# KiCad board panelised.kicad_pcb (continued)
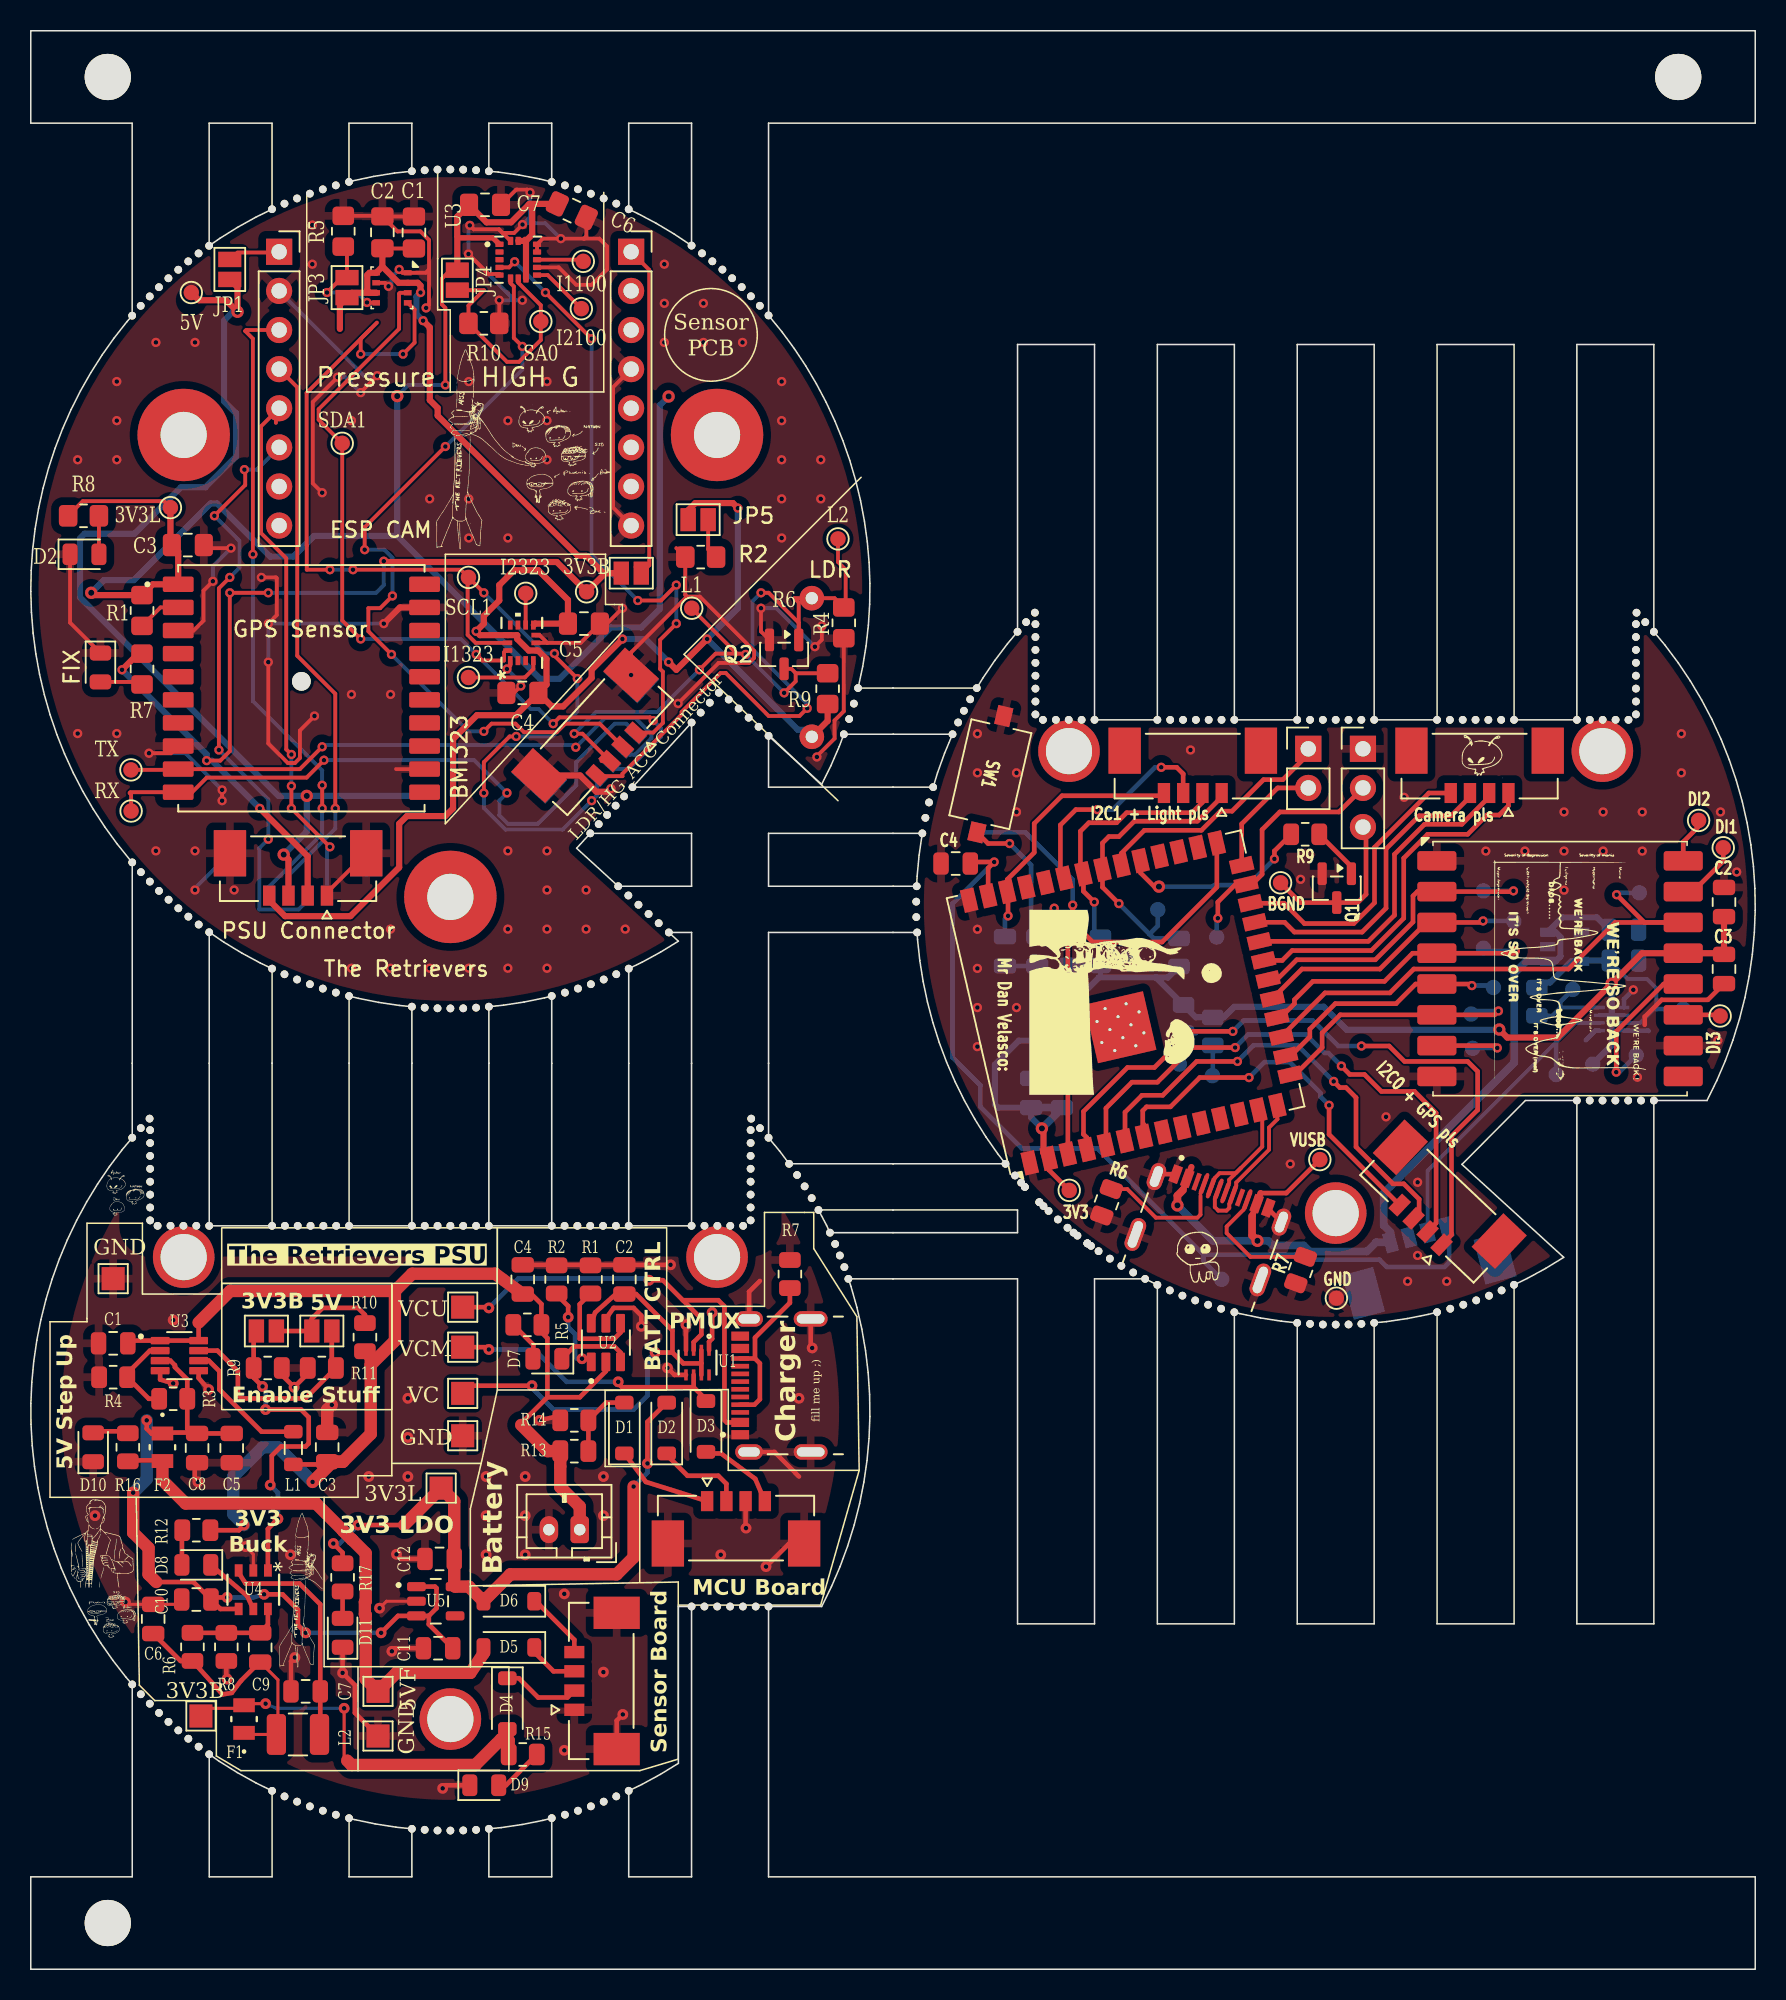
[diagram p0: board, top side]
## Placement (name value [footprint] x y rotation side) (continued)
KiKit_MB_44_2  -  [NPTH]  95.52 44.08 0 top
KiKit_MB_44_3  -  [NPTH]  94.71 43.74 0 top
KiKit_MB_44_4  -  [NPTH]  93.87 43.44 0 top
KiKit_MB_44_5  -  [NPTH]  93.03 43.15 0 top
KiKit_MB_44_6  -  [NPTH]  92.19 42.89 0 top
KiKit_MB_44_7  -  [NPTH]  91.33 42.67 0 top
KiKit_MB_45_1  -  [NPTH]  105.41 56.41 0 top
KiKit_MB_45_2  -  [NPTH]  104.58 56.41 0 top
KiKit_MB_45_3  -  [NPTH]  103.75 56.41 0 top
KiKit_MB_45_4  -  [NPTH]  102.91 56.41 0 top
KiKit_MB_45_5  -  [NPTH]  102.08 56.41 0 top
KiKit_MB_45_6  -  [NPTH]  101.25 56.41 0 top
KiKit_MB_45_7  -  [NPTH]  100.41 56.41 0 top
KiKit_TO_1  -  [NPTH#2]  5 122.88 0 top
KiKit_TO_2  -  [NPTH#2]  106.99 122.88 0 top
KiKit_TO_3  -  [NPTH#2]  5 3 0 top
L1  1u5H  [L_0805_2012Metric]  17.05 33.85 90 top
L1#2  TestPoint  [TestPoint_Pad_D1.0mm]  42.92 88.39 0 top
L2  2u2H  [L_1210_3225Metric]  17.35 15.25 0 top
L2#2  TestPoint  [TestPoint_Pad_D1.0mm]  52.42 92.89 0 top
Q1  MMBT619  [SOT-23]  84.82 70.2 270 top
Q2  Q_NPN_BEC  [SOT-23]  48.92 85.39 270 top
R1  560  [R_0805_2012Metric]  36.35 44.8 90 top
R1#2  10k  [R_0805_2012Metric_Pad1.20x1.40mm_HandSolder]  7.22 88.24 270 top
R1#3  5.1k  [R_0805_2012Metric]  76.77 60.9 90 bottom
R2  10K  [R_0805_2012Metric]  34.15 44.8 90 top
R2#2  1Meg  [R_0805_2012Metric_Pad1.20x1.40mm_HandSolder]  43.51 91.71 180 top
R2#3  5.1k  [R_0805_2012Metric]  69.47 66.1 270 bottom
R3  30K  [R_0805_2012Metric]  9.25 37.05 180 top
R3#2  5.1k  [R_0805_2012Metric]  74.87 61.7 270 bottom
R4  3.7k  [R_0805_2012Metric_Pad1.20x1.40mm_HandSolder]  52.8 87.44 90 top
R4#2  270K  [R_0805_2012Metric]  5.35 38.45 180 top
R4#3  5.1k  [R_0805_2012Metric]  74.57 66.03 90 bottom
R5  1K5  [R_0805_2012Metric]  32.25 41.85 180 top
R5#2  1Meg  [R_0805_2012Metric_Pad1.20x1.40mm_HandSolder]  20.29 112.87 90 top
R5#3  10k  [R_0805_2012Metric]  67.47 66.1 270 bottom
R6  5.1k  [R_0805_2012Metric]  69.87 49.8 70 top
R6#2  LDR07  [ldr]  50.72 80.04 90 top
R6#3  115K  [R_0805_2012Metric]  10.5 20.93 270 top
R7  22K  [R_0805_2012Metric]  49.3 45.15 90 top
R7#2  5.1k  [R_0805_2012Metric]  82.47 45.4 70 top
R7#3  5.1k  [R_0805_2012Metric_Pad1.20x1.40mm_HandSolder]  7.22 84.44 270 top
R8  5.1k  [R_0805_2012Metric_Pad1.20x1.40mm_HandSolder]  3.42 94.39 0 top
R8#2  25.5K  [R_0805_2012Metric]  12.7 20.93 270 top
R8#3  5.1k  [R_0805_2012Metric]  97.82 62.83 270 bottom
R9  100k  [R_0805_2012Metric_Pad1.20x1.40mm_HandSolder]  51.75 83.16 270 top
R9#2  1Meg  [R_0805_2012Metric]  15.39 39.05 0 top
R9#3  10k  [R_0805_2012Metric]  82.77 73.7 0 top
R10  1Meg  [R_0805_2012Metric_Pad1.20x1.40mm_HandSolder]  29.42 106.89 0 top
R10#2  1k5  [R_0805_2012Metric]  21.7 41.05 90 top
R11  1Meg  [R_0805_2012Metric]  18.9 39.05 180 top
R12  1K5  [R_0805_2012Metric]  10.75 28.51 0 top
R13  470k  [R_0805_2012Metric]  35.3 33.65 0 top
R14  220k  [R_0805_2012Metric]  35.3 35.65 180 top
R15  10k  [R_0805_2012Metric]  31.95 13.95 0 top
R16  10k  [R_0805_2012Metric]  6.3 33.9 90 top
R17  10k  [R_0805_2012Metric]  20.25 25.45 270 top
RX  TestPoint  [TestPoint_Pad_D1.0mm]  6.51 75.21 0 top
SA0  TestPoint  [TestPoint_Pad_D1.0mm]  33.12 107.01 0 top
SCL1  TestPoint  [TestPoint_Pad_D1.0mm]  28.42 90.39 0 top
SDA1  TestPoint  [TestPoint_Pad_D1.0mm]  20.22 99.09 0 top
SW1  SW_Push  [SW_Tactile_SPST_NO_Straight_CK_PTS636Sx25SMTRLFS]  62.32 77.6 257 top
SW2  SW_Push  [SW_Tactile_SPST_NO_Straight_CK_PTS636Sx25SMTRLFS]  62.32 77.6 257 bottom
TP1  TestPoint  [TestPoint_Pad_D1.0mm]  93.54 62.03 180 bottom
TP2  TestPoint  [TestPoint_Pad_D1.0mm]  76.74 58.03 180 bottom
TP3  TestPoint  [TestPoint_Pad_D1.0mm]  71.47 65.83 180 bottom
TP4  TestPoint  [TestPoint_Pad_D1.0mm]  74.59 58.78 180 bottom
TP5  TestPoint  [TestPoint_Pad_D1.0mm]  73.19 68.8 180 bottom
TP6  TestPoint  [TestPoint_Pad_D1.0mm]  77.02 67.03 180 bottom
TP7  TestPoint  [TestPoint_Pad_D1.0mm]  94.34 70.03 180 bottom
TP8  TestPoint  [TestPoint_Pad_D1.0mm]  96.32 68.05 180 bottom
TP9  TestPoint  [TestPoint_Pad_D1.0mm]  94.34 66.3 180 bottom
TP10  TestPoint  [TestPoint_Pad_D1.0mm]  94.99 63.75 180 bottom
TP11  TestPoint  [TestPoint_Pad_D1.0mm]  109.92 72.83 0 top
TP12  TestPoint  [TestPoint_Pad_D1.0mm]  108.32 74.6 0 top
TP13  TestPoint  [TestPoint_Pad_D1.0mm]  109.72 61.9 0 top
TP14  TestPoint  [TestPoint_Pad_D1.0mm]  104.27 59.35 180 bottom
TP15  TestPoint  [TestPoint_Pad_D1.0mm]  101.44 58.78 180 bottom
TP15#2  TestPoint  [TestPoint_Pad_D1.0mm]  93.64 59.8 180 bottom
TP16  TestPoint  [TestPoint_Pad_D1.0mm]  104.47 69.9 180 bottom
TP17  TestPoint  [TestPoint_Pad_D1.0mm]  83.72 52.58 0 top
TP18  TestPoint  [TestPoint_Pad_D1.0mm]  84.79 43.58 0 top
TP19  TestPoint  [TestPoint_Pad_D1.0mm]  67.44 50.58 0 top
TP20  TestPoint  [TestPoint_Pad_D1.0mm]  100.14 63.63 180 bottom
TP21  TestPoint  [TestPoint_Pad_D1.0mm]  107.32 62.35 180 bottom
TP22  TestPoint  [TestPoint_Pad_D1.0mm]  99.07 58.1 180 bottom
TP23  TestPoint  [TestPoint_Pad_D1.0mm]  81.17 70.55 0 top
TX  TestPoint  [TestPoint_Pad_D1.0mm]  6.5 77.89 0 top
U1  CD-PA1616D  [XCVR_CD-PA1616D]  17.57 83.19 0 top
U1#2  -  [Lora1276-C1-868]  99.32 72.98 0 top
U1#3  LM66200DRLR  [SOT-5X3_DRL_TEX]  43.3 39.4 270 top
U2  ESP32-S3-WROOM-1U-N16R8  [ESP32-S3-WROOM-1U]  71.1 62.79 103 top
U2#2  ESP32-CAM  [ESPCam]  27.73 102.96 0 top
U2#3  -  [BQ21040DBVR]  37.35 40.7 90 top
U3  -  [RT4812GJ8F]  9.65 39.85 0 top
U3#2  BME280  [Bosch_LGA-8_2.5x2.5mm_P0.65mm_ClockwisePinNumbering]  23.45 109.19 270 top
U3#3  LM66200DRLR  [SOT-5X3_DRL_TEX]  102.67 61.7 180 bottom
U4  AP3445LW6-7  [SOT26_AP3445_DIO-L]  14.45 24.65 270 top
U4#2  BMI323  [BMI323_BOS-M]  31.89 86.14 90 top
U4#3  -  [TLV75733PDBVR]  99.62 66.4 90 bottom
U5  TLV75733PDBVR  [SOT95P280X145-5N]  26.3 23.9 0 top
U5#2  H3LIS100DLTR  [PQFN50P300X300X100-16N]  31.66 111.02 0 top
VBAT1  TestPoint  [TestPoint_Pad_D1.0mm]  77.34 44.8 180 bottom
Vcharger_MCU_TP1  TestPoint  [TestPoint_Pad_1.5x1.5mm]  28.05 40.4 0 top
Vcharger_TP1  TestPoint  [TestPoint_Pad_1.5x1.5mm]  28.05 37.4 0 top
Vcharger_USB_TP1  TestPoint  [TestPoint_Pad_1.5x1.5mm]  28.05 43 0 top

## Library data of the parts
3V3_Buck_TP1 3V3_LDO_TP1 3V3B 3V3L 5V 5V_TP1 GND_TP1-GND_TP3 I1100 I1323 I2100 I2323 L1#2 L2#2 RX SA0 SCL1 SDA1 TP1-TP15 TP15#2 TP16-TP23 TX VBAT1 Vcharger_MCU_TP1 Vcharger_TP1 Vcharger_USB_TP1 = -: Description: test point
C1 C1#2 C1#3 C2 C2#2 C2#3 C3 C3#2 C3#3 C4 C4#2 C4#3 C5 C5#2 C5#3 C6 C6#2 C6#3 C7 C7#2 C7#3 C8 C8#2 C9 C9#2 C10-C12 = -: Description: Unpolarized capacitor
D1 D2#2 D7-D11 = -: Description: Light emitting diode; Sim.Pins: 1=K 2=A
D1#2 D2-D6 = -: Description: Schottky diode
EN_3V3 EN_5 JP1-JP5 = -: Description: Solder Jumper, 2-pole, open
F1 F2 = -: Description: Fuse, small symbol
H1 H1#2 H1#3 H2 H2#2 H2#3 H3 H3#2 H3#3 = -: Description: Mounting Hole without connection
J1 = -: Description: Generic connector, single row, 01x03, script generated (kicad-library-utils/schlib/autogen/connector/)
J1#2 J2#3 J3 J3#3 J4 J4#3 J5 J7 = -: PARTREV: A; STANDARD: Manufacturer Recommendations; MAXIMUM_PACKAGE_HEIGHT: 4.7 mm; MANUFACTURER: Molex
J1#3 J2 = -: MANUFACTURER: Molex; MAXIMUM_PACKAGE_HEIGHT: 4.7 mm; STANDARD: Manufacturer Recommendations; PARTREV: A
J2#2 = -: Description: Generic connector, single row, 01x02, script generated (kicad-library-utils/schlib/autogen/connector/)
J3#2 = -: STANDARD: Manufacturer Recommendations; MAXIMUM_PACKAGE_HEIGHT: 3.46mm; MANUFACTURER: Same Sky; PARTREV: 1.0
J4#2 = -: MANUFACTURER: JST
J6 = -: PARTREV: 1.0; STANDARD: Manufacturer Recommendations; MAXIMUM_PACKAGE_HEIGHT: 3.36mm; MANUFACTURER: Same Sky
L1 L2 = -: Description: Inductor
Q1 = -: Description: NPN transistor, base/emitter/collector
Q2 = -: Description: NPN transistor, base/emitter/collector; Sim.Device: NPN; Sim.Pins: 1=B 2=E 3=C
R1 R1#2 R1#3 R2 R2#2 R2#3 R3 R3#2 R4 R4#2 R4#3 R5 R5#2 R5#3 R6 R6#3 R7 R7#2 R7#3 R8 R8#2 R8#3 R9 R9#2 R9#3 R10 R10#2 R11-R17 = -: Description: Resistor
R6#2 = -: Datasheet: http://www.tme.eu/de/Document/f2e3ad76a925811312d226c31da4cd7e/LDR07.pdf; Description: light dependent resistor
SW1 SW2 = -: Description: Push button switch, generic, two pins
U1 = -: MF: CD Top; MAXIMUM_PACKAGE_HEIGHT: 6.7 mm; Package: Package; Price: None; Check_prices: https://www.snapeda.com/parts/CD-PA1616D/CD+technology/view-part/?ref=eda; STANDARD: Manufacturer Recommendations; PARTREV: V.06; SnapEDA_Link: https://www.snapeda.com/parts/CD-PA1616D/CD+technology/view-part/?ref=snap; Description_1: CD-PA1616DGNSS patch antenna module; Availability: Not in stock; MANUFACTURER: CD Top
U1#3 U3#3 = -: Datasheet: https://www.ti.com/lit/gpn/lm66200
U2 = -: PARTREV: v1.1; STANDARD: Manufacturer Recommendations; MAXIMUM_PACKAGE_HEIGHT: 3.35mm; MANUFACTURER: Espressif Systems; MF: Espressif Systems; Package: SMD-41 Espressif Systems; Price: None; Check_prices: https://www.snapeda.com/parts/ESP32-S3-WROOM-1U-N16R8/Espressif+Systems/view-part/?ref=eda; SnapEDA_Link: https://www.snapeda.com/parts/ESP32-S3-WROOM-1U-N16R8/Espressif+Systems/view-part/?ref=snap; Description_1: Bluetooth, WiFi 802.11b/g/n, Bluetooth v5.0 Transceiver Module 2.4GHz Antenna Not Included, U.FL Surface Mount; Availability: In Stock
U2#2 = -: Datasheet: https://www.es.co.th/Schemetic/PDF/ESP32.PDF; Description: ESP32 ESP32 Transceiver; 802.11 a/b/g/n (Wi-Fi, WiFi, WLAN), Bluetooth® Smart 4.x Low Energy (BLE) Evaluation Board; MF: AI-Thinker; PACKAGE: None; PRICE: None; Package: None; Check_prices: https://www.snapeda.com/parts/ESP32-CAM/AI-Thinker/view-part/?ref=eda; Price: None; SnapEDA_Link: https://www.snapeda.com/parts/ESP32-CAM/AI-Thinker/view-part/?ref=snap; Availability: Not in stock; AVAILABILITY: Not in stock; Description_1: ESP32 ESP32 Transceiver; 802.11 a/b/g/n (Wi-Fi, WiFi, WLAN), Bluetooth® Smart 4.x Low Energy (BLE) Evaluation Board
U3 = -: MANUFACTURER: Richtek Technology; MAXIMUM_PACKAGE_HEIGHT: 1.0 mm; STANDARD: IPC 7351B; PARTREV: March 2019
U3#2 = -: Datasheet: https://www.bosch-sensortec.com/media/boschsensortec/downloads/datasheets/bst-bme280-ds002.pdf; Description: 3-in-1 sensor, humidity, pressure, temperature, I2C and SPI interface, 1.71-3.6V, LGA-8
U4#3 = -: Datasheet: https://www.ti.com/cn/lit/gpn/tlv757p; Description: Output Type:Fixed Voltage - Supply:5.5V Output Voltage:3.3V Output Voltage:3.3V Output Current:1A Power Supply Rejection Ratio (PSRR):46dB@(100kHz) Voltage Dropout:650mV@(1A) standby current:40uA Noise:71.5uVrms Features:Under Voltage Lockout；Soft Start；O; Manufacturer: TI(德州仪器); Supplier Part: C485517; Supplier: LCSC; LCSC Part Name: 具有使能功能的 1A、低 IQ、高精度、低压降稳压器
U5 = -: Datasheet: https://www.ti.com/cn/lit/gpn/tlv757p; Description: Output Type:Fixed Voltage - Supply:5.5V Output Voltage:3.3V Output Voltage:3.3V Output Current:1A Power Supply Rejection Ratio (PSRR):46dB@(100kHz) Voltage Dropout:650mV@(1A) standby current:40uA Noise:71.5uVrms Features:Under Voltage Lockout；Soft Start；O; LCSC Part Name: 具有使能功能的 1A、低 IQ、高精度、低压降稳压器; Supplier: LCSC; Supplier Part: C485517; Manufacturer: TI(德州仪器)
U5#2 = -: PARTREV: 2; STANDARD: IPC 7351B; MAXIMUM_PACKAGE_HEIGHT: 1 mm; MANUFACTURER: STMicroelectronics

## Footprints (pads in the part's own frame, mm; a bottom-side part is the same pattern mirrored in y, then rotated)
BMI323_BOS-M
  rect 0.584x0.305 smd: 1(-1.156,0.75) 2(-1.156,0.25) 3(-1.156,-0.25) 4(-1.156,-0.75) 8(1.156,-0.75) 9(1.156,-0.25) 10(1.156,0.25) 11(1.156,0.75)
  rect 0.305x0.584 smd: 5(-0.5,-0.914) 6(0,-0.914) 7(0.5,-0.914) 12(0.5,0.914) 13(0,0.914) 14(-0.5,0.914)
Bosch_LGA-8_2.5x2.5mm_P0.65mm_ClockwisePinNumbering
  rect 0.35x0.5 smd: 1(-0.975,1.025) 2(-0.325,1.025) 3(0.325,1.025) 4(0.975,1.025) 5(0.975,-1.025) 6(0.325,-1.025) 7(-0.325,-1.025) 8(-0.975,-1.025)
BQ21040DBVR
  rrect 1.21x0.58 smd: 1(-1.255,0.95) 2(-1.255,0) 3(-1.255,-0.95) 4(1.255,-0.95) 5(1.255,0) 6(1.255,0.95)
C_0805_2012Metric
  rrect 1x1.45 smd: 1(-0.95,0) 2(0.95,0)
C_0805_2012Metric#2
  rrect 1x1.45 smd: 1(-0.95,0) 2(0.95,0)
C_0805_2012Metric_Pad1.18x1.45mm_HandSolder
  rrect 1.175x1.45 smd: 1(-1.038,0) 2(1.038,0)
D_SOD-123
  rrect 0.9x1.2 smd: 1(-1.65,0) 2(1.65,0)
ESP32-S3-WROOM-1U
  rect 0.9x0.9 smd: (-2.904,-0.71) (-2.9,2.09) (-2.9,0.69) (-1.504,-0.71) (-1.5,2.09) (-1.5,0.69) (-0.104,-0.71) (-0.1,2.09) (-0.1,0.69)
  rect 1.5x0.9 smd: 1(-8.75,8.41) 2(-8.75,7.14) 3(-8.75,5.87) 4(-8.75,4.6) 5(-8.75,3.33) 6(-8.75,2.06) 7(-8.75,0.79) 8(-8.75,-0.48) 9(-8.75,-1.75) 10(-8.75,-3.02) 11(-8.75,-4.29) 12(-8.75,-5.56) 13(-8.75,-6.83) 14(-8.75,-8.1) 27(8.75,-8.1) 28(8.75,-6.83) 29(8.75,-5.56) 30(8.75,-4.29) 31(8.75,-3.02) 32(8.75,-1.75) 33(8.75,-0.48) 34(8.75,0.79) 35(8.75,2.06) 36(8.75,3.33) 37(8.75,4.6) 38(8.75,5.87) 39(8.75,7.14) 40(8.75,8.41)
  rect 0.9x1.5 smd: 15(-6.985,-9.35) 16(-5.715,-9.35) 17(-4.445,-9.35) 18(-3.175,-9.35) 19(-1.905,-9.35) 20(-0.635,-9.35) 21(0.635,-9.35) 22(1.905,-9.35) 23(3.175,-9.35) 24(4.445,-9.35) 25(5.715,-9.35) 26(6.985,-9.35)
  round 0.6 hole 0.2: 41(-2.9,1.39) 41(-2.9,-0.01) 41(-2.2,2.09) 41(-2.2,0.69) 41(-2.2,-0.71) 41(-1.5,1.39) 41(-1.5,-0.01) 41(-0.8,2.09) 41(-0.8,0.69) 41(-0.8,-0.71) 41(-0.1,1.39) 41(-0.1,-0.01)
  rect 3.9x3.9 smd: 41(-1.5,0.69)
ESPCam
  rect 1.7x1.7 hole 1: 1(-11.6,8.57) 9(11.26,8.57)
  round 1.7 hole 1: 2(-11.6,6.03) 3(-11.6,3.49) 4(-11.6,0.95) 5(-11.6,-1.59) 6(-11.6,-4.13) 7(-11.6,-6.67) 8(-11.6,-9.21) 10(11.26,6.03) 11(11.26,3.49) 12(11.26,0.95) 13(11.26,-1.59) 14(11.26,-4.13) 15(11.26,-6.67) 16(11.26,-9.21)
FUS_VISHAY_MFU0805_VIS
  rect 0.902x1.397 smd: 1(-0.895,0) 2(0.895,0)
JST_PH_B2B-PH-K_1x02_P2.00mm_Vertical
  rrect 1.2x1.75 hole 0.75: 1(0,0)
  oval 1.2x1.75 hole 0.75: 2(2,0)
L_0805_2012Metric
  rrect 0.875x1.2 smd: 1(-1.062,0) 2(1.062,0)
L_1210_3225Metric
  rrect 1.25x2.65 smd: 1(-1.4,0) 2(1.4,0)
ldr
  round 1.6 hole 0.8: 1(0,0) 2(9,0)
LED_0805_2012Metric
  rrect 0.975x1.4 smd: 1(-0.938,0) 2(0.938,0)
Lora1276-C1-868
  rrect 2.54x1.27 smd: 1(-8,-1) 2(-8,-3) 3(-8,-5) 4(-8,-7) 5(-8,-9) 6(-8,-11) 7(-8,-13) 8(-8,-15) 9(8,-15) 10(8,-13) 11(8,-11) 12(8,-9) 13(8,-7) 14(8,-5) 15(8,-3) 16(8,-1)
MOLEX_533980471
  rect 0.8x1.3 smd: 1(1.875,-1.75) 2(0.625,-1.75) 3(-0.625,-1.75) 4(-1.875,-1.75)
  rect 2.1x3 smd: S1(-4.425,1) S2(4.425,1)
MOLEX_533980471#2
  rect 0.8x1.3 smd: 1(1.875,-1.75) 2(0.625,-1.75) 3(-0.625,-1.75) 4(-1.875,-1.75)
  rect 2.1x3 smd: S1(-4.425,1) S2(4.425,1)
MOLEX_533980471#3
  rect 0.8x1.3 smd: 1(1.875,-1.75) 2(0.625,-1.75) 3(-0.625,-1.75) 4(-1.875,-1.75)
  rect 2.1x3 smd: S1(-4.425,1) S2(4.425,1)
MOLEX_533980471#4
  rect 0.8x1.3 smd: 1(1.875,-1.75) 2(0.625,-1.75) 3(-0.625,-1.75) 4(-1.875,-1.75)
  rect 2.1x3 smd: S1(-4.425,1) S2(4.425,1)
Mounting-Hole-3mm-0.05mm-pad
  round 4 hole 3: 1(0,0)
MountingHole_3mm_Pad
  round 6 hole 3: 1(0,0)
MountingHole_3mm_Pad#2
  round 4 hole 3: 1(0,0)
NPTH
  round 0.5 hole 0.5 unplated: (0,0)
NPTH#2
  round 3 hole 3 unplated: (0,0)
PinHeader_1x02_P2.54mm_Vertical
  rect 1.7x1.7 hole 1: 1(0,0)
  round 1.7 hole 1: 2(0,-2.54)
PinHeader_1x03_P2.54mm_Vertical
  rect 1.7x1.7 hole 1: 1(0,0)
  round 1.7 hole 1: 2(0,-2.54) 3(0,-5.08)
PQFN50P300X300X100-16N
  rrect 0.53x0.35 smd: 1(-1.22,1) 2(-1.22,0.5) 3(-1.22,0) 4(-1.22,-0.5) 5(-1.22,-1) 9(1.22,-1) 10(1.22,-0.5) 11(1.22,0) 12(1.22,0.5) 13(1.22,1)
  rrect 0.35x0.53 smd: 6(-0.5,-1.22) 7(0,-1.22) 8(0.5,-1.22) 14(0.5,1.22) 15(0,1.22) 16(-0.5,1.22)
R_0805_2012Metric
  rrect 1.025x1.4 smd: 1(-0.912,0) 2(0.912,0)
R_0805_2012Metric_Pad1.20x1.40mm_HandSolder
  rrect 1.2x1.4 smd: 1(-1,0) 2(1,0)
RT4812GJ8F
  rrect 1.22x0.48 smd: 1(-1.25,0.975) 2(-1.25,0.325) 3(-1.25,-0.325) 4(-1.25,-0.975) 5(1.25,-0.975) 6(1.25,-0.325) 7(1.25,0.325) 8(1.25,0.975)
SAMESKY_UJ20-C-H-G-SMT-P16-TR
  rect 0.6x1.15 smd: A1_B12(-3.2,4.575) A4_B9(-2.4,4.575) A9_B4(2.4,4.575) A12_B1(3.2,4.575)
  rect 0.3x1.15 smd: A5(-1.25,4.575) A6(-0.25,4.575) A7(0.25,4.575) A8(1.25,4.575) B5(1.75,4.575) B6(0.75,4.575) B7(-0.75,4.575) B8(-1.75,4.575)
  oval 1x1.8 hole 0.6x1.4: SH1(-4.32,4) SH3(4.32,4)
  oval 1x2.2 hole 0.6x1.8: SH2(-4.32,0) SH4(4.32,0)
SolderJumper-2_P1.3mm_Open_Pad1.0x1.5mm
  rect 1x1.5 smd: 1(-0.65,0) 2(0.65,0)
SOT26_AP3445_DIO-L
  rect 0.8x0.508 smd: 1(-1.251,0.95) 2(-1.251,0) 3(-1.251,-0.95) 4(1.251,-0.95) 5(1.251,0) 6(1.251,0.95)
SOT95P280X145-5N
  rrect 1.21x0.59 smd: 1(-1.255,0.95) 2(-1.255,0) 3(-1.255,-0.95) 4(1.255,-0.95) 5(1.255,0.95)
SOT-5X3_DRL_TEX
  rect 0.711x0.229 smd: 1(-0.8,0.75) 2(-0.8,0.25) 3(-0.8,-0.25) 4(-0.8,-0.75) 5(0.8,-0.75) 6(0.8,-0.25) 7(0.8,0.25) 8(0.8,0.75)
SOT-23
  rrect 1.475x0.6 smd: 1(-0.938,0.95) 2(-0.938,-0.95) 3(0.938,0)
SW_Tactile_SPST_NO_Straight_CK_PTS636Sx25SMTRLFS
  rect 1.25x1 smd: 1(-3.875,0) 2(3.875,0)
TestPoint_Pad_1.5x1.5mm
  rect 1.5x1.5 smd: 1(0,0)
TestPoint_Pad_D1.0mm
  round 1 smd: 1(0,0)
TLV75733PDBVR
  rect 0.6x1 smd: 1(-0.95,-1.1) 2(0,-1.1) 3(0.95,-1.1) 4(0.95,1.1) 5(-0.95,1.1)
XCVR_CD-PA1616D
  round 1.21 hole 1.21 unplated: (0,0.45)
  rrect 2x1 smd: 1(-8,6.75) 2(-8,5.25) 3(-8,3.75) 4(-8,2.25) 5(-8,0.75) 6(-8,-0.75) 7(-8,-2.25) 8(-8,-3.75) 9(-8,-5.25) 10(-8,-6.75) 11(8,-6.75) 12(8,-5.25) 13(8,-3.75) 14(8,-2.25) 15(8,-0.75) 16(8,0.75) 17(8,2.25) 18(8,3.75) 19(8,5.25) 20(8,6.75)

## Nets
Board_2-/VBAT_IO1: C4#2.1 J7.1 U2.39 VBAT1.1
Board_0-3V3_BUCK: 3V3B.1 C1.2 C2.1 J3#3.2 JP2.1 JP3.1 R7#3.1 U3#2.2 U3#2.6 U3#2.8
Board_0-3V3_LDO: 3V3L.1 C3#2.1 C4#3.2 C5#2.1 C6#2.1 C7#2.1 J3#3.4 JP4.1 JP5.1 R1#2.1 R6#2.1 R8.1 R9.2 U1.1 U4#2.5 U4#2.8 U4#2.12 U5#2.1 U5#2.8 U5#2.14 U5#2.15
Board_0-5V: 5V.1 J3#3.3 JP1.1
Board_0-CAM_IO14: J4#3.3 U2#2.6
Board_0-CAM_IO15: J4#3.4 U2#2.5
Board_0-CAM_RX: J4#3.1 U2#2.3
Board_0-CAM_TX: J4#3.2 U2#2.4
Board_0-GND: C1.1 C2.2 C3#2.2 C4#3.1 C5#2.2 C6#2.2 C7#2.2 D1.1 D2#2.1 J1#2.S1 J1#2.S2 J2#3.S1 J2#3.S2 J3#3.1 J3#3.S1 J3#3.S2 J4#3.S1 J4#3.S2 Q2.2 R2#2.2 R4.1 R5#2.2 R10.2 U1.3 U1.8 U1.12 U1.19 U2#2.2 U2#2.12 U2#2.16 U3#2.1 U3#2.7 U4#2.1 U4#2.6 U4#2.7 U5#2.5 U5#2.10 U5#2.12 U5#2.13 U5#2.16
Board_0-GPS_UART_RX: J2#3.4 RX.1 U1.10
Board_0-GPS_UART_TX: J2#3.3 TX.1 U1.9
Board_0-IN2_100: I2100.1 U5#2.9
Board_0-INT1_100: I1100.1 U5#2.11
Board_0-INT1_323: I1323.1 U4#2.4
Board_0-INT2_323: I2323.1 U4#2.9
Board_0-LIGHT1: J1#2.3 L1#2.1 Q2.3 R9.1
Board_0-LIGHT2: J1#2.4 L2#2.1 Q2.1 R4.2 R6#2.2
Board_0-Net-(D1-A): D1.2 R7#3.2
Board_0-Net-(D2-A): D2#2.2 R8.2
Board_0-Net-(JP1-B): JP1.2 U2#2.1
Board_0-Net-(JP2-B): JP2.2 U2#2.9
Board_0-Net-(U1-~{RESET}): R1#2.2 U1.2
Board_0-PRESSURE_ADDR: JP3.2 R5#2.1 U3#2.5
Board_0-SA0: JP4.2 R10.1 SA0.1 U5#2.7
Board_0-SCL1: J2#3.1 SCL1.1 U3#2.4 U4#2.13
Board_0-SCL2: J1#2.1 U5#2.4
Board_0-SDA1: J2#3.2 SDA1.1 U3#2.3 U4#2.14
Board_0-SDA2: J1#2.2 U5#2.6
Board_0-SDO: JP5.2 R2#2.1
Board_0-unconnected-(U1-1PPS-Pad13): U1.13
Board_0-unconnected-(U1-3D-FIX-Pad5): U1.5
Board_0-unconnected-(U1-EX_ANT-Pad11): U1.11
Board_0-unconnected-(U1-NC-Pad6): U1.6
Board_0-unconnected-(U1-NC-Pad7): U1.7
Board_0-unconnected-(U1-NC-Pad16): U1.16
Board_0-unconnected-(U1-NC-Pad17): U1.17
Board_0-unconnected-(U1-NC-Pad18): U1.18
Board_0-unconnected-(U1-NC-Pad20): U1.20
Board_0-unconnected-(U1-RX1/I2C_SCL-Pad14): U1.14
Board_0-unconnected-(U1-TX1/I2C_SDA-Pad15): U1.15
Board_0-unconnected-(U1-VBACKUP-Pad4): U1.4
Board_0-unconnected-(U2-3V3.-Pad13): U2#2.13
Board_0-unconnected-(U2-IO0-Pad11): U2#2.11
Board_0-unconnected-(U2-IO1/U0T-Pad15): U2#2.15
Board_0-unconnected-(U2-IO2-Pad7): U2#2.7
Board_0-unconnected-(U2-IO3/U0R-Pad14): U2#2.14
Board_0-unconnected-(U2-IO4-Pad8): U2#2.8
Board_0-unconnected-(U2-IO16-Pad10): U2#2.10
Board_0-unconnected-(U4-NC-Pad2): U4#2.2
Board_0-unconnected-(U4-NC-Pad3): U4#2.3
Board_0-unconnected-(U4-NC-Pad10): U4#2.10
Board_0-unconnected-(U4-NC-Pad11): U4#2.11
Board_0-unconnected-(U5-NC-Pad2): U5#2.2
Board_0-unconnected-(U5-NC__1-Pad3): U5#2.3
Board_1-+3V3_Buck: 3V3_Buck_TP1.1 D4.2 F1.2 R15.1
Board_1-+3V3_LDO: 3V3_LDO_TP1.1 C12.1 D2.2 D6.2 R17.1 U5.5
Board_1-+5VF: 5V_TP1.1 D5.2 F2.2 R16.1
Board_1-+5VU: C5.2 C8.1 C10.1 C11.1 F2.1 R3.1 U3.3 U4.4 U5.1 U5.3
Board_1-/Bat_ADC: D1#2.2 R13.2 R14.1
Board_1-EN_3.3: EN_3V3.1 R9#2.1 U4.1
Board_1-EN_5: EN_5.1 R11.1 U3.7
Board_1-GND: C1#2.2 C2#2.2 C3#3.1 C4.2 C5.1 C6.1 C7.1 C8.2 C10.2 C11.2 C12.2 D9.1 D10.1 D11.1 GND_TP1.1 GND_TP2.1 GND_TP3.1 J1#3.1 J1#3.S1 J1#3.S2 J2.3 J2.S1 J2.S2 J3#2.A1_B12 J3#2.SH1 J3#2.SH2 J3#2.SH3 J3#2.SH4 J4#2.2 R1.2 R2.2 R4#2.2 R7.2 R8#2.2 R9#2.2 R11.2 R14.2 U1#3.1 U1#3.4 U1#3.5 U2#3.5 U3.4 U3.5 U4.2 U5.2
Board_1-Net-(C6-Pad2): C6.2 C9.1 F1.1 L2.1 R6#3.2
Board_1-Net-(D1-K): D1#2.1 J2.1
Board_1-Net-(D2-K): D2.1 J2.2
Board_1-Net-(D3-A): D3.2 J2.4
Board_1-Net-(D4-K): D4.1 J1#3.2
Board_1-Net-(D5-K): D5.1 J1#3.3
Board_1-Net-(D6-K): D6.1 J1#3.4
Board_1-Net-(D7-A): D7.2 R5.2
Board_1-Net-(D7-K): D7.1 U2#3.3
Board_1-Net-(D8-A): D8.2 R12.1
Board_1-Net-(D8-K): D8.1 U4.5
Board_1-Net-(D9-A): D9.2 R15.2
Board_1-Net-(D10-A): D10.2 R16.2
Board_1-Net-(D11-A): D11.2 R17.2
Board_1-Net-(EN_3V3-B): EN_3V3.2 EN_5.2 R10#2.2
Board_1-Net-(J3-CC1): J3#2.A5 J3#2.B5 R7.1
Board_1-Net-(U2-ISET): R1.1 U2#3.4
Board_1-Net-(U2-TS): R2.1 U2#3.1
Board_1-Net-(U3-FB): R3.2 R4#2.1 U3.2
Board_1-Net-(U3-SW): L1.2 U3.6
Board_1-Net-(U4-FB): C9.2 R6#3.1 R8#2.1 U4.6
Board_1-Net-(U4-LX): C7.2 L2.2 U4.3
Board_1-unconnected-(J3-DN1-PadA7): J3#2.A7
Board_1-unconnected-(J3-DN2-PadB7): J3#2.B7
Board_1-unconnected-(J3-DP1-PadA6): J3#2.A6
Board_1-unconnected-(J3-DP2-PadB6): J3#2.B6
Board_1-unconnected-(J3-SBU1-PadA8): J3#2.A8
Board_1-unconnected-(J3-SBU2-PadB8): J3#2.B8
Board_1-unconnected-(U1-ST-Pad8): U1#3.8
Board_1-unconnected-(U5-NC-Pad4): U5.4
Board_1-Vbat: C1#2.1 C3#3.2 C4.1 J4#2.1 L1.1 R5.1 R10#2.1 R12.2 R13.1 U2#3.2 U3.1 U3.8
Board_1-Vcharger: C2#2.1 U1#3.2 U1#3.7 U2#3.6 Vcharger_TP1.1
Board_1-Vcharger_MCU: D3.1 U1#3.6 Vcharger_MCU_TP1.1
Board_1-Vcharger_USB: J3#2.A4_B9 U1#3.3 Vcharger_USB_TP1.1
Board_2-+3V3: C2#3.1 C3.1 C6#3.1 C7#3.1 R1#3.2 R2#3.2 R3#2.1 R4#3.1 R5#3.2 TP15.1 TP19.1 U1#2.13 U2.2 U3#3.2 U3#3.7
Board_2-+3V3_LDO_LOCAL: C9#2.2 R8#3.1 TP21.1 U3#3.3 U4#3.5
Board_2-+3V3_PSU_LDO: J7.2 TP22.1 U3#3.6
Board_2-/ANT: U1#2.9
Board_2-/BUZZER_IO38: R9#3.1 U2.31
Board_2-/CAM_IO13: J5.1 U2.21
Board_2-/CAM_IO14: J5.2 U2.22
Board_2-/CAM_IO21: J5.3 U2.23
Board_2-/CAM_IO47: J5.4 U2.24
Board_2-/D+: J6.A6 J6.B6 U2.14
Board_2-/D-: J6.A7 J6.B7 U2.13
Board_2-/DI1: TP11.1 U1#2.15
Board_2-/DI2: TP12.1 U1#2.16
Board_2-/DI3: TP13.1 U1#2.11
Board_2-/DI4: TP14.1 U1#2.12
Board_2-/DI5: TP15#2.1 U1#2.7
Board_2-/ESP_RESET: C1#3.1 R5#3.1 SW1.2 U2.3
Board_2-/GPS_U1RX_IO7: J3.4 U2.7
Board_2-/GPS_U1TX_IO6: J3.3 U2.6
Board_2-/I2C0_SCL_IO4: J3.1 R3#2.2 TP4.1 U2.4
Board_2-/I2C0_SDA_IO5: J3.2 R1#3.1 TP2.1 U2.5
Board_2-/I2C1_SCL_IO40: J4.1 R4#3.2 TP5.1 U2.33
Board_2-/I2C1_SDA_IO41: J4.2 R2#3.1 TP3.1 U2.34
Board_2-/IO39: J2#2.1 U2.32
Board_2-/IO45: J2#2.2 U2.26
Board_2-/LIGHT_1_IO42: J4.3 U2.35
Board_2-/LIGHT_2_ADC1CH1_IO2: C5#3.2 J4.4 U2.38
Board_2-/LORA_IRQ_IO9: TP16.1 U1#2.14 U2.17
Board_2-/LORA_SPI3_CLK_IO10: TP9.1 U1#2.4 U2.18
Board_2-/LORA_SPI3_CS_IO46: TP10.1 U1#2.5 U2.16
Board_2-/LORA_SPI3_D_IO11: TP8.1 U1#2.3 U2.19
Board_2-/LORA_SPI3_Q_IO12: TP7.1 U1#2.2 U2.20
Board_2-/Power Management/POWER_ST: R8#3.2 TP20.1 U3#3.8
Board_2-/SERVO_IO48: J1.2 TP6.1 U2.25
Board_2-/~{LORA_EN}_IO3: TP1.1 U1#2.6 U2.15
Board_2-BUZ_GND: J1.3 Q1.3 TP23.1
Board_2-GND: C1#3.2 C2#3.2 C3.2 C4#2.2 C5#3.1 C6#3.2 C7#3.2 C8#2.1 C9#2.1 J1.1 J6.A1_B12 J6.A12_B1 J6.SH1 J6.SH2 J6.SH3 J6.SH4 J7.3 Q1.2 R6.1 R7#2.1 SW1.1 SW2.1 TP18.1 U1#2.1 U1#2.8 U1#2.10 U2.1 U2.40 U3#3.1 U3#3.4 U3#3.5 U4#3.2
Board_2-Net-(J6-CC1): J6.A5 R6.2
Board_2-Net-(J6-CC2): J6.B5 R7#2.2
Board_2-Net-(Q1-B): Q1.1 R9#3.2
Board_2-Net-(U2-IO0): SW2.2 U2.27
Board_2-unconnected-(J3-SHIELD1-PadS1): J3.S1
Board_2-unconnected-(J3-SHIELD2-PadS2): J3.S2
Board_2-unconnected-(J4-SHIELD1-PadS1): J4.S1
Board_2-unconnected-(J4-SHIELD2-PadS2): J4.S2
Board_2-unconnected-(J5-SHIELD1-PadS1): J5.S1
Board_2-unconnected-(J5-SHIELD2-PadS2): J5.S2
Board_2-unconnected-(J6-SBU1-PadA8): J6.A8
Board_2-unconnected-(J6-SBU2-PadB8): J6.B8
Board_2-unconnected-(J7-SHIELD1-PadS1): J7.S1
Board_2-unconnected-(J7-SHIELD2-PadS2): J7.S2
Board_2-unconnected-(U2-IO8-Pad12): U2.12
Board_2-unconnected-(U2-IO15-Pad8): U2.8
Board_2-unconnected-(U2-IO16-Pad9): U2.9
Board_2-unconnected-(U2-IO17-Pad10): U2.10
Board_2-unconnected-(U2-IO18-Pad11): U2.11
Board_2-unconnected-(U2-IO35-Pad28): U2.28
Board_2-unconnected-(U2-IO36-Pad29): U2.29
Board_2-unconnected-(U2-IO37-Pad30): U2.30
Board_2-unconnected-(U2-RXD0-Pad36): U2.36
Board_2-unconnected-(U2-TXD0-Pad37): U2.37
Board_2-unconnected-(U4-NC-Pad4): U4#3.4
Board_2-V_USB: C8#2.2 J6.A4_B9 J6.A9_B4 J7.4 TP17.1 U4#3.1 U4#3.3

Pads without a net: H1 1; H1#2 1; H1#3 1; H2 1; H2#2 1; H2#3 1; H3 1; H3#2 1; H3#3 1; J3#2 A9_B4 A12_B1; U2 41

## Via types
v1: diameter 0.6, hole 0.3, Top to Bottom, 215 vias
v2: diameter 0.8, hole 0.4, Top to Bottom, 12 vias
v3: diameter 0.7, hole 0.3, Top to Bottom, 70 vias

## Routing (per net, layer and track width the routed paths; a pad name or vN(x,y) marks a point on that pad's centre or on a via; arc(x,y) is an arc through that point)
Board_2-/VBAT_IO1: length 61
  Top w0.3: C4#2.1 61.12,71.9 v1(62.57,71.9) 62.18,71.51 U2.39
  Bottom w0.3: 76.17,46.4 76.17,45.98 VBAT1.1 ; 76.17,46.4 69.27,53.3 64.37,53.3 61.67,56 61.67,57.4 59.86,59.22 59.86,69.19 v1(62.57,71.9) ; 76.17,46.4 82.17,46.4 82.5,46.08 87.6,46.08 88.07,45.6 91.82,45.6 92.12,45.9 92.12,47.99 J7.1
Board_0-3V3_BUCK: length 101.2
  Top w0.25: v1(11.42,78.49) 12.31,78.49 12.92,79.1 v1(12.92,89.39) v1(15.42,89.39) ; C1.2 22.85,111.75 C2.1
  Top w0.4: v1(22.92,91.44) 22.98,91.39 34.16,91.39 3V3B.1 37.31,90.66 JP2.1 37.2,90.66 36.07,91.79 35.52,91.79 26.42,100.89 26.42,101.39 25.91,101.9 25.91,106.62 v1(25.48,107.06) ; R7#3.1 6.97,85.44 v1(5.92,84.39) ; 23.13,111.46 C2.1 22.83,110.57 ; v1(14.87,75.39) 17.98,72.28 J3#3.2 ; v1(25.31,108.89) 25.31,109.34 25.13,109.52 U3#2.2 23.89,109.52 22.83,110.57 ; 22.83,110.57 U3#2.8 22,110.17 21.85,110.02 21.85,109.02 22,108.87 U3#2.6 20.85,108.87 JP3.1 20.07,108.1 20.07,106.53
  Bottom w0.25: v1(11.42,78.49) 11.77,78.49 ; v1(22.92,91.44) 22.92,89.89 22.42,89.39 v1(15.42,89.39)
  Bottom w0.4: 11.77,78.49 v1(14.87,75.39) ; v1(25.48,107.06) 25.05,107.49 25.05,108.62 v1(25.31,108.89) ; v1(11.42,78.49) 11.42,78.89 v1(5.92,84.39)
Board_0-3V3_LDO: length 210.4
  Top w0.25: v1(26.92,102.89) 26.92,107.89 26.7,108.11 26.7,109.79 27.25,110.34 JP4.1 27.37,110.67 ; 3V3L.1 8.65,95.34 3.38,95.34 R8.1 ; C4#3.2 33.04,82.97 ; 27.7,112.51 27.77,112.44
  Top w0.35: 27.77,112.44 30.02,112.44 U5#2.1
  Top w0.4: J3#3.4 15.48,69.41 16.51,68.39 20.76,68.39 23.92,71.55 23.92,74.39 24.42,74.89 26.92,74.89 27.42,75.39 27.42,79.89 28.98,81.44 31.52,81.44 C4#3.2 ; C6#2.1 32.39,114.64 32.34,114.59 ; 9.57,91.84 9.16,92.25 C3#2.1 9.57,92.07 U1.1 7.92,89.94 7.6,89.61 ; v2(3.92,89.39) 4.07,89.24 R1#2.1 ; 32.34,114.59 31.19,113.44 29.6,113.44 C7#2.1 27.7,113.81 27.7,112.51 ; 32.34,114.59 32.56,114.37 32.56,112.64 U5#2.14 ; v1(38.42,86.39) 36.42,84.39 36.42,83.86 34.57,82.01 33.84,82.01 C4#3.2 ; C4#3.2 33.5,83.42 33.5,85.08 32.94,85.64 U4#2.5 32.35,85.64 31.6,86.39 31.6,86.62 31.58,86.64 U4#2.12 29.17,86.64 v1(28.92,86.89) 29.42,87.39 29.42,87.89 30.42,88.89 30.42,89.89 31.4,90.86 32.95,90.86 34.89,88.92 C5#2.1 32.76,87.39 32.67,87.29 ; 3V3L.1 9.07,93.14 8.79,92.86 ; v1(41.42,84.89) 41.92,84.39 v1(43.92,86.39) ; JP5.1 42.69,94.74 43.16,95.21 45.6,95.21 v1(45.92,94.89) ; U5#2.14 31.66,112.24 ; U5#2.14 32.16,112.24 32.16,109.8 ; R9.2 51.75,81.06 R6#2.1 ; JP4.1 27.7,112.51
  Bottom w0.25: v1(26.92,102.89) 24.52,102.89 v2(23.8,102.16)
  Bottom w0.4: v2(41.42,102.14) 40.85,101.56 40.85,88.34 39.65,87.14 37.67,87.14 34.34,83.8 33.07,83.8 23.8,93.08 ; v1(45.92,94.89) 45.92,88.39 v1(43.92,86.39) 49.82,80.49 50.72,80.49 ; v2(3.92,89.39) 4.75,90.21 6.7,90.21 11.67,95.19 12.1,95.19 15.55,91.74 17.05,91.74 18.39,93.08 23.8,93.08 ; 23.8,93.08 v2(23.8,102.16) ; v1(38.42,86.39) 39.92,86.39 v1(41.42,84.89)
Board_0-5V: length 67.2
  Top w0.25: 17.98,76.14 v2(17.92,76.2)
  Top w0.4: v2(16.42,72.39) 16.73,72.08 J3#3.3 ; 5V.1 10.92,108.39 12.67,108.39 v2(13.42,107.64) 13.42,109.24 JP1.1
  Bottom w0.4: v2(16.42,72.39) 17.92,73.89 v2(17.92,76.2) ; v2(17.92,76.2) 25.5,76.2 ; v2(17.92,76.2) 16.08,76.2 3.2,89.08 3.2,92.93 3.5,93.23 6.74,93.23 9.74,96.24 11.34,96.24 13.33,98.23 13.33,101.04 12.55,101.83 12.55,107.07 13.12,107.64 v2(13.42,107.64)
Board_0-CAM_IO14: length 38.9
  Top w0.25: v1(11.92,94.39) 13.92,96.39 13.92,97.39 v1(13.87,97.39) ; v1(12.92,90.39) 12.22,89.68 v1(12.22,79.18)
  Bottom w0.25: v1(12.92,90.39) 13.55,91.01 13.55,92.76 v1(11.92,94.39) ; v1(15.42,73.39) 14.84,72.8 14.84,68.82 17.39,68.82 17.99,69.42 J4#3.3 ; v1(15.42,73.39) 15.42,75.97 v1(12.22,79.18) ; v1(15.42,73.39) 15.49,73.32 ; v1(13.87,97.39) 14.68,97.39 U2#2.6
Board_0-CAM_IO15: length 35.2
  Top w0.25: v1(16.92,78.89) 16.59,79.22 16.59,91.63 14.95,93.26 14.95,100.2 U2#2.5 ; 15.92,101.3 15.92,100.42 ; v1(16.92,76.83) v1(16.92,75.39) v1(19.42,72.89)
  Bottom w0.25: J4#3.4 19.24,72.7 v1(19.42,72.89) ; v1(16.92,76.83) v1(16.92,78.89) ; 16.74,75.2 v1(16.92,75.39)
Board_0-CAM_RX: length 42.4
  Top w0.25: U2#2.3 13.99,106.45 13.92,106.39 14.42,105.89 v1(14.42,91.89) ; v1(18.92,76.89) v1(18.92,75.39) ; 15.91,106.39 15.92,106.38
  Bottom w0.25: v1(18.92,75.39) 18.92,73.75 15.49,70.32 J4#3.1 ; v1(18.92,76.89) 18.92,77.85 14.42,82.35 v1(14.42,91.89)
Board_0-CAM_TX: length 37.1
  Top w0.25: U2#2.4 17.31,102.74 17.31,85.3 19.77,82.83 v1(19.77,75.39)
  Bottom w0.25: 19.89,75.27 v1(19.77,75.39) 19.77,74.07 16.74,71.04 J4#3.2
Board_0-GND: length 207.6
  Top w0.25: U1.3 10.57,86.94 11.22,87.58 11.22,89.53 v1(11.82,90.14) ; C2.2 22.85,113.82 C1.1 ; C2.2 22.8,113.87 R5#2.2 ; C2.2 23.81,112.86 25.31,112.86 25.86,112.3 25.86,110.39 ; v1(51.37,87.24) 51.37,86.34 v1(50.92,85.89) ; 42.61,89.14 38.98,85.51 v1(38.98,84.05) ; 42.61,89.14 43.45,89.14 46.98,85.62 46.98,85.16 46.65,84.83 44.67,84.83 v1(42.04,82.2) ; 42.61,89.14 42.51,89.25 R2#2.2 41.92,92.29 ; v1(51.06,78.73) 51.06,78.77 52.2,79.92 52.2,81.1 52.8,81.69 R4.1 ; U5#2.12 U5#2.13 33.25,112.39 v1(34.42,112.39) 35.92,112.39 ; U5#2.16 30.41,112.99 ; 30.41,112.99 30.64,112.76 31.39,112.76 v1(31.94,113.3) ; 30.41,112.99 28.77,112.99 v1(28.51,113.25) ; U2#2.16 37.81,94.93 37.81,102.74 U2#2.12 ; v1(31.82,83.33) 31.38,82.89 C4#3.1 ; R10.2 v1(30.42,108.39) ; D1.1 2.55,87.45 D2#2.1 ; v1(7.68,78.97) 9.11,78.97 U1.8 ; 33.55,86.14 35.71,86.14 C5#2.2 37.42,87.39 v1(38.42,88.39) ; 33.55,86.14 U4#2.6 ; 33.55,86.14 33.05,86.64 U4#2.7 ; 25.86,110.39 25.86,108.07 v1(25.67,107.89) ; 25.86,110.39 25.65,110.17 U3#2.1 24.14,110.17 v1(23.92,110.39) ; U5#2.5 30.44,110.09 29.72,110.09 v1(28.42,111.39) ; v1(12.42,75.89) v1(12.42,76.59) ; C6#2.2 36.08,112.54 35.92,112.39 ; 35.92,112.39 36.92,112.39 37.42,111.89 37.42,110.39 36.42,109.39 35.42,109.39 34.29,110.52 U5#2.10 ; v1(13,92.29) 11.44,92.29 C3#2.2 ; v1(21.42,102.39) 21.42,102.41 v1(22.5,103.49) ; 23.72,77.94 U1.12 ; 19.42,69.53 J3#3.1 19.23,69.92 J3#3.S2 ; v1(47.42,88.39) 47.42,86.87 Q2.2 ; v1(23.23,109.29) 23,109.52 U3#2.7 ; v1(18.42,81.39) 17.48,80.44 17.48,78.66 17.15,78.33 16.7,78.33 15.42,79.6 v1(15.42,84.89) ; v1(15.42,87.39) 15.98,87.94 15.98,90.33 15.92,90.39 v1(14.98,90.39) ; v1(18.92,95.89) 18.32,96.49 18.32,101.78 v1(19.92,103.39) ; v1(32.42,115.39) 32.24,115.57 31.53,115.57 C7#2.2 ; U4#2.1 31.14,84.65 v1(30.92,84.44) ; 39.27,93.19 38.78,93.68
  Top w0.4: J1#2.S1 35.68,77.52 36.73,76.47 37.48,76.47 v1(37.68,76.67) ; U1.19 23.97,88.44 v1(22.92,87.39)
  Bottom w0.25: v1(50.92,85.89) 48.42,88.39 v1(47.42,88.39) ; v1(10.66,70.09) 10.66,70.2 J4#3.S2 12.94,72.36 ; v1(13,92.29) 11.82,91.11 v1(11.82,90.14) ; v1(15.42,84.89) v1(15.42,87.39) v1(22.92,87.39) ; v1(31.82,83.33) 31.82,83.54 v1(30.92,84.44) ; v1(21.42,102.39) 20.42,103.39 v1(19.92,103.39) ; v1(7.68,78.97) 10.04,78.97 v1(12.42,76.59) ; J4#3.S1 21.79,71.05 ; v1(22.5,103.49) 21.63,103.49 U2#2.2 ; v1(28.51,113.25) 28.42,113.16 v1(28.42,111.39) 28.42,111.39 31.42,108.39 v1(31.92,108.39) v1(30.42,108.39) ; v1(25.67,107.89) 25.72,107.94 ; v1(34.42,112.39) 33.42,113.39 32.02,113.39 v1(31.94,113.3) 32.42,113.79 v1(32.42,115.39) ; v1(23.92,110.39) 23.42,109.89 23.42,109.39 23.33,109.39 v1(23.23,109.29)
  vias: v1(3.04,98.03) v1(3.04,80.25) v1(5.58,103.11) v1(5.58,100.57) v1(5.58,98.03) v1(5.58,80.25) v1(8.12,105.65) v1(8.12,72.63) v1(10.66,105.65) v1(10.66,72.63) v1(13.2,70.09) v1(18.28,113.27) v1(18.28,110.73) v1(20.82,100.57) v1(20.82,82.79) v1(20.82,65.01) v1(23.36,82.79) v1(23.36,67.55) v1(23.36,65.01) v1(25.9,95.49) v1(25.9,65.01) v1(28.44,103.11) v1(28.44,95.49) v1(28.44,92.95) v1(28.44,65.01) v1(30.98,100.57) v1(30.98,92.95) v1(30.98,72.63) v1(30.98,67.55) v1(30.98,65.01) v1(33.52,103.11) v1(33.52,100.57) v1(33.52,98.03) v1(33.52,72.63) v1(33.52,70.09) v1(33.52,67.55) v1(33.52,65.01) v1(36.06,70.09) v1(36.06,67.55) v1(38.6,67.55) v1(41.14,110.73) v1(41.14,108.19) v1(41.14,105.65) v1(43.68,108.19) v1(43.68,105.65) v1(46.22,105.65) v1(48.76,103.11) v1(48.76,100.57) v1(48.76,98.03) v1(48.76,95.49) v1(48.76,92.95) v1(51.3,98.03) v1(51.3,95.49)
